# Altium PCB SK-V101-010301-Left.PcbDoc
Units mm, origin at the board's own origin, x right, y up, seen from the top; angles counter-clockwise.
Board outline 127.36 x 111.13 mm, 2 copper layers (Top Layer, Bottom Layer); 86 components, 41 nets, 332 pads, 312 vias.
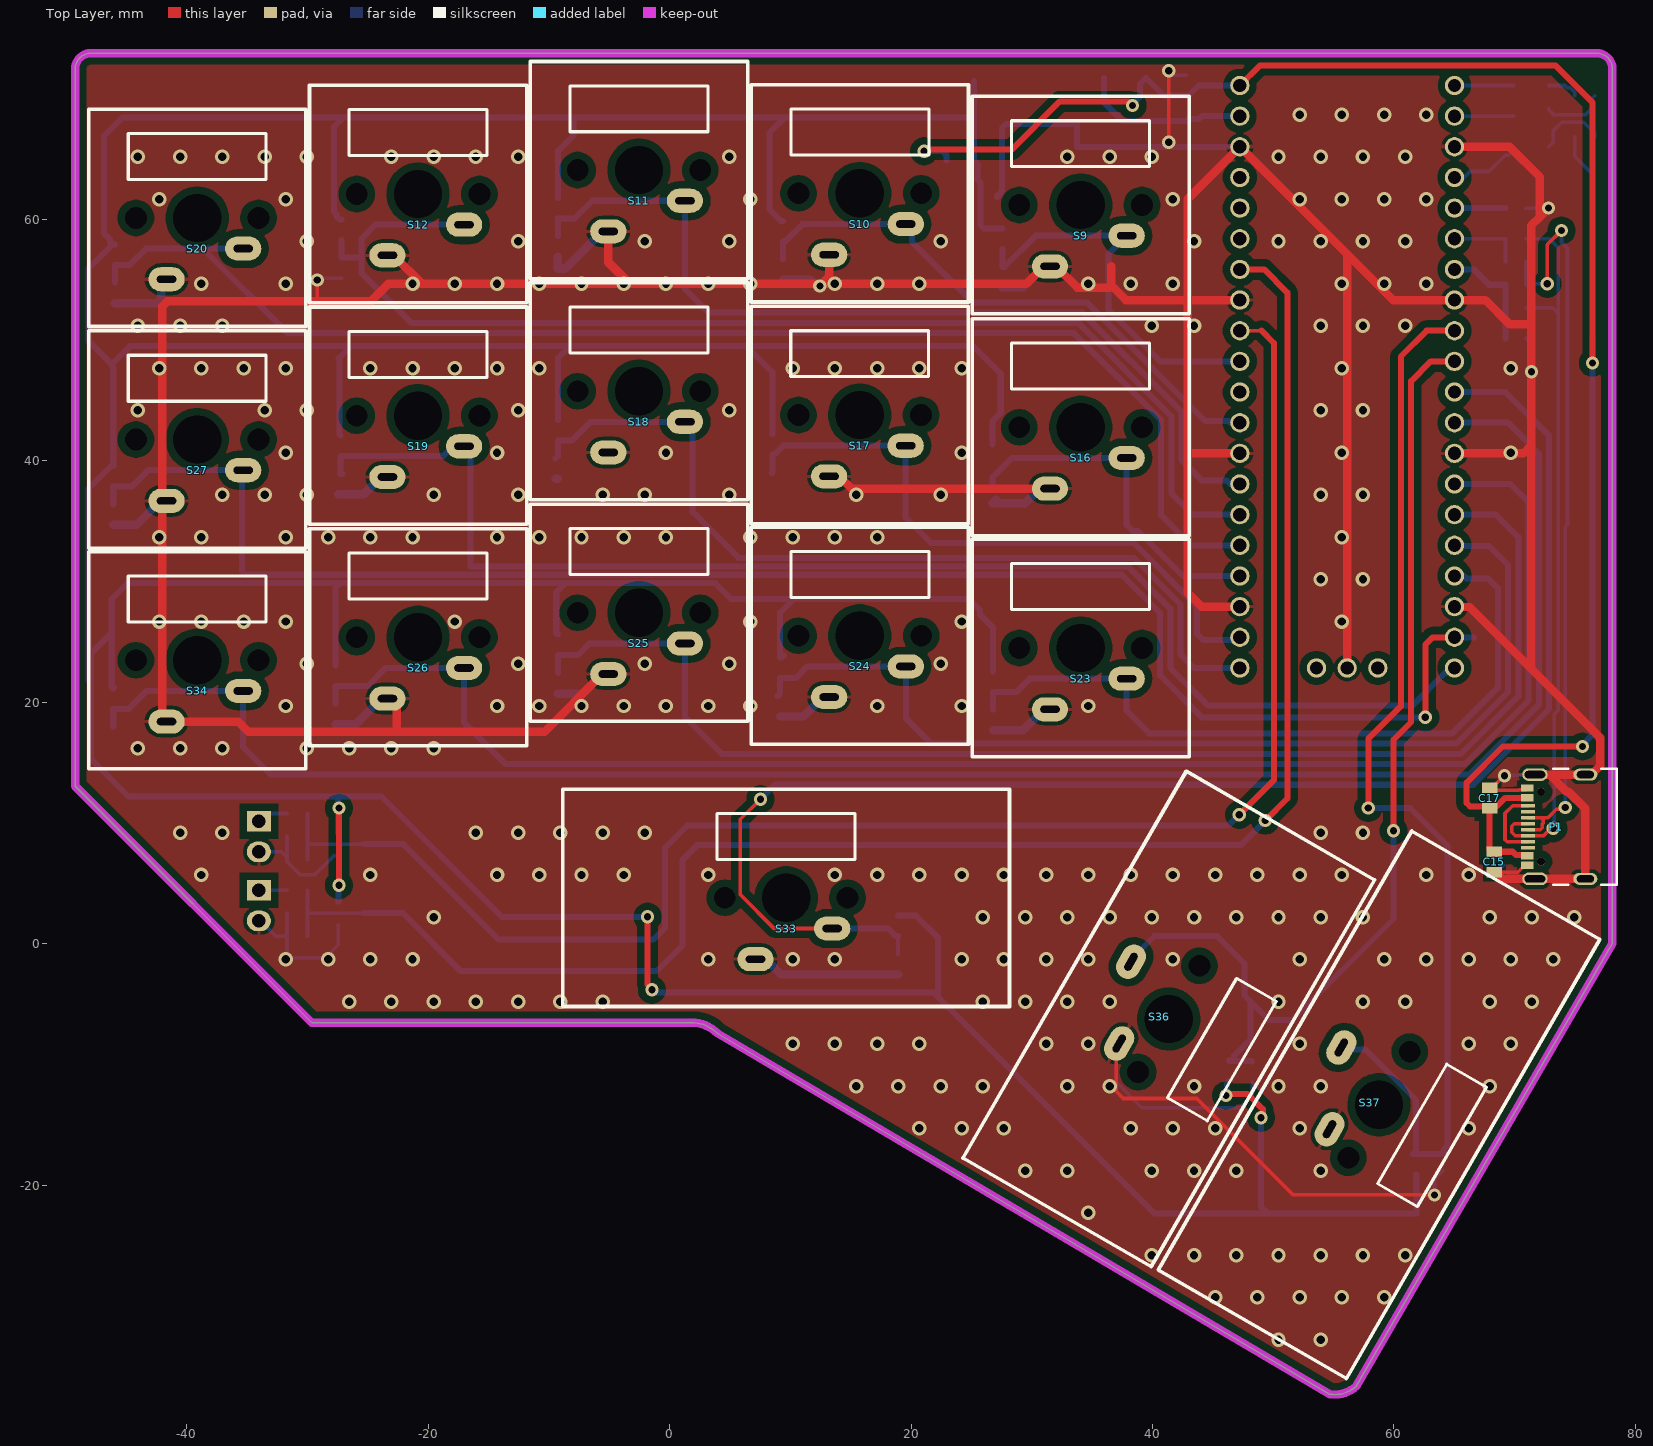
[diagram p0: Top Layer view]
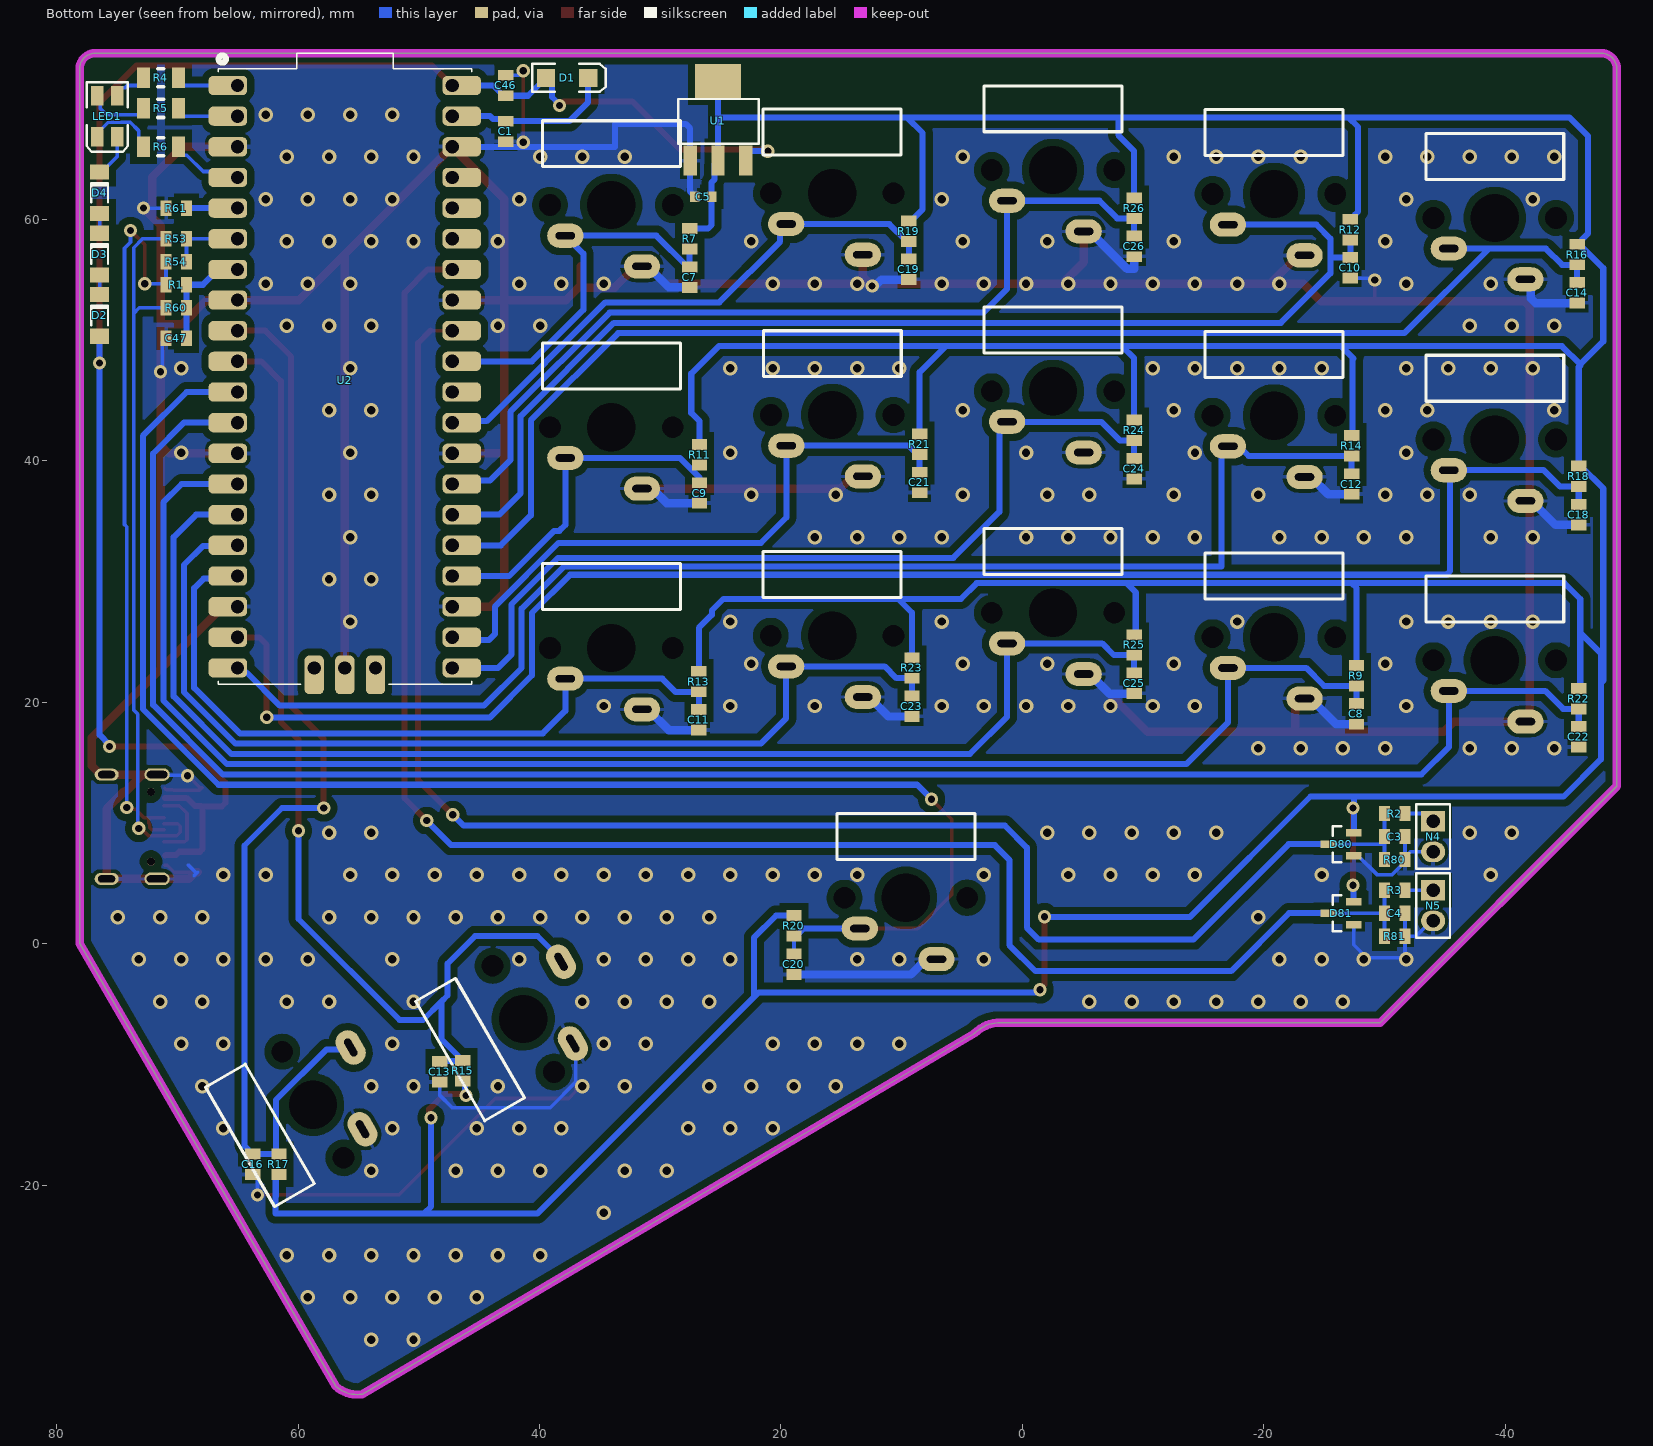
[diagram p1: Bottom Layer view, seen from below]
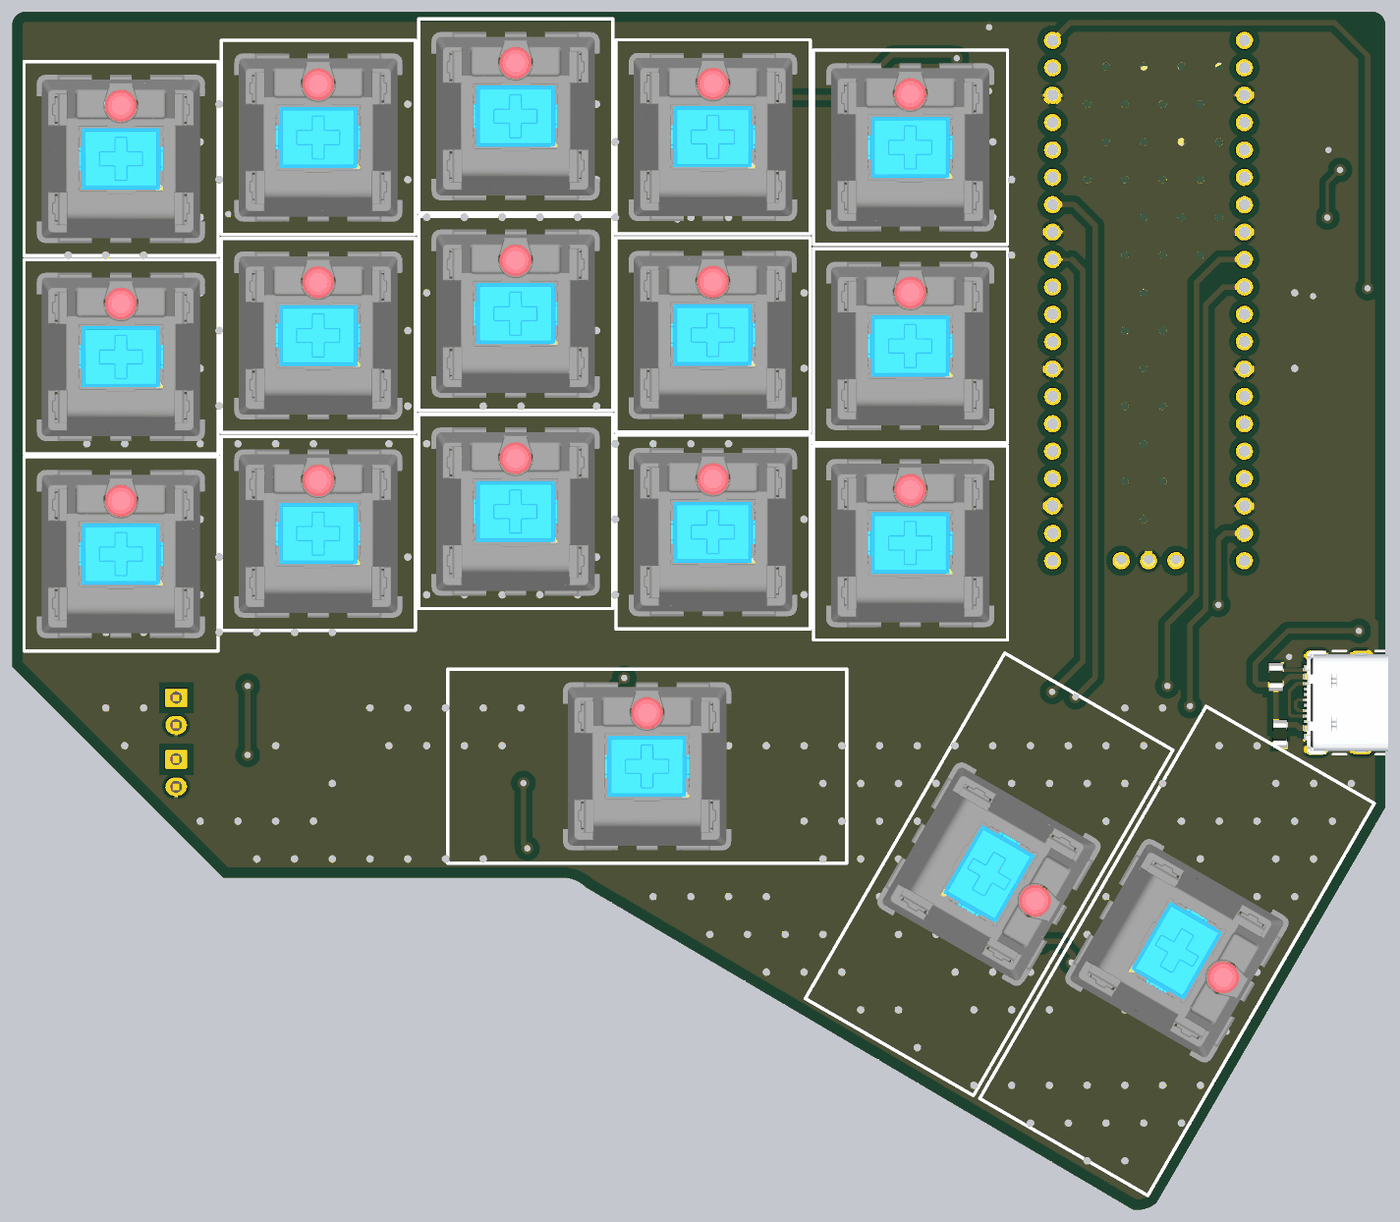
[diagram p2: 3D render of the assembled board from above, using the file's embedded part models]
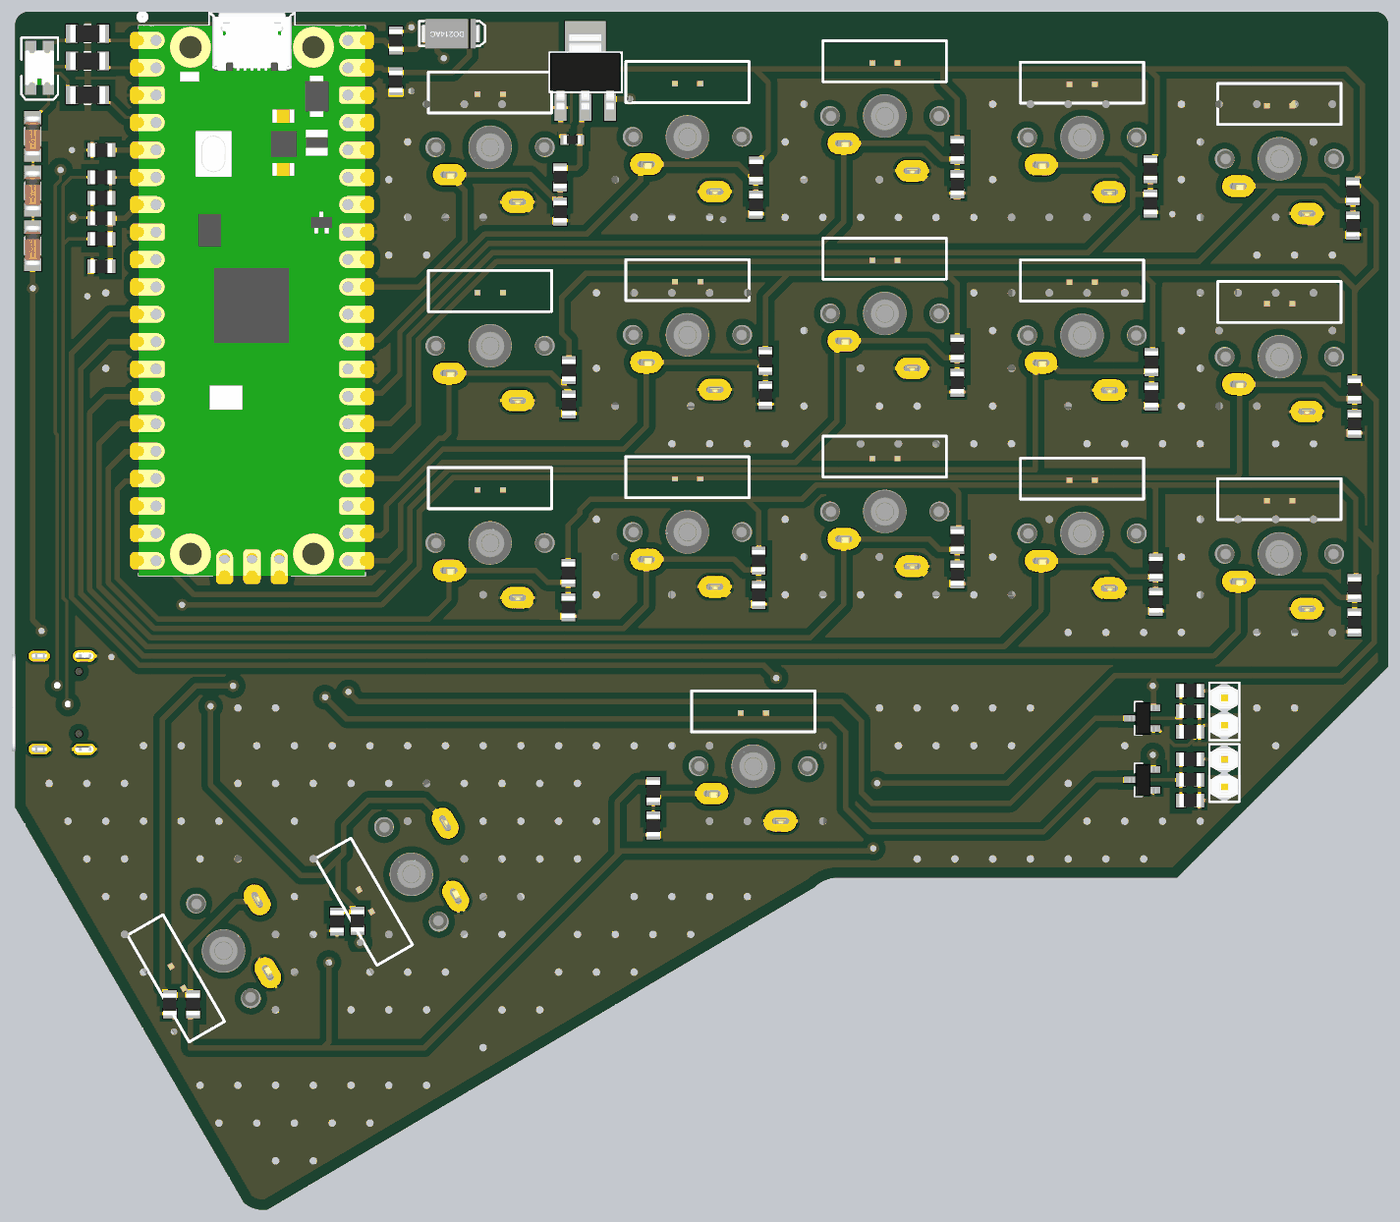
[diagram p3: 3D render of the assembled board from below, using the file's embedded part models]

## Layer stack, top to bottom
Top Solder: solder mask 0.0102, Solder Resist, Dk 3.5
Top Layer: signal copper 0.0356
Dielectric 1: dielectric 0.32, FR-4, Dk 4.8
Bottom Layer: signal copper 0.0356
Bottom Solder: solder mask 0.0102, Solder Resist, Dk 3.5

## Board outline
56.896,-36.668 78.105,0 78.105,72.501 ccw(c76.835,72.501) 76.835,73.771 -47.981,73.771 ccw(c-47.981,72.501) -49.251,72.501 -49.251,69.478 -49.251,13.04 -29.667,-6.544 1.803,-6.544 cw(c1.803,-9.61) 3.971,-7.442 54.69,-37.327 ccw(c55.1,-34.679)

## Design rules (kind name [scope] priority, off if disabled: settings)
Clearance Poly [All vs InPolygon] p1: gap=0.6 ignorepadtopadclearanceinfootprint=FALSE
Clearance [All] p2: gap=0.2 ignorepadtopadclearanceinfootprint=FALSE
HoleSize [All] p1: absolutevalues=TRUE maxlimit=4.5 minlimit=0.4 maxpercent=80.000 minpercent=20.000
PlaneConnect [All] p1: planeconnectstyle=Direct reliefexpansion=0.508 reliefentries=2 reliefconductorwidth=0.254 reliefairgap=0.254
PolygonConnect [All] p1: thpad.connectstyle=Relief thpad.reliefconductorwidth=0.3 thpad.reliefentries=2 thpad.polygonreliefangle="90 Angle" thpad.airgapwidth=0.3 smdpad.connectstyle=Relief smdpad.reliefconductorwidth=0.3 smdpad.reliefentries=2 smdpad.polygonreliefangle="90 Angle" smdpad.airgapwidth=0.3 via.connectstyle=Direct via.reliefconductorwidth=0.254 via.reliefentries=4 via.polygonreliefangle="90 Angle" via.airgapwidth=0.254
RoomDefinition SK-PiCo [InComponentClass('SK-PiCo')] p1: confinementstyle=ConfineOut formatcopy=TRUE lockcomponents=FALSE outline -89.556,-141.31 -38.756,-141.31 -38.756,-115.91 -89.556,-115.91
RoomDefinition SK-keys [InComponentClass('SK-keys')] p2: confinementstyle=ConfineOut formatcopy=TRUE lockcomponents=FALSE outline 153.395,-10.391 184.436,-10.391 184.436,-28.788 153.395,-28.788
RoomDefinition SK-Connector [InComponentClass('SK-Connector')] p3: confinementstyle=ConfineOut formatcopy=TRUE lockcomponents=FALSE outline 154.536,-28.391 183.536,-28.391 183.536,-5.791 154.536,-5.791
RoomDefinition SK-Additional_keys [InComponentClass('SK-Additional_keys')] p4: confinementstyle=ConfineOut formatcopy=TRUE lockcomponents=FALSE outline 152.936,-27.491 188.036,-27.491 188.036,-8.391 152.936,-8.391
RoutingVias [All] p1: holewidth=0.711 width=1.27 viastyle="Through Hole" minholewidth=0.6 minwidth=1.1 maxholewidth=0.711 maxwidth=1.27
SilkToSilkClearance [All] p1: silktosilkclearance=0.1
SilkToSolderMaskClearance [IsPad] p1: minsilkscreentomaskgap=0.1 clearancetoexposedcopper=TRUE
SolderMaskExpansion [All] p1: expansion=0.102 istentingtop=FALSE
Width [All] p1: maxlimit=3 minlimit=0.3 preferedwidth=0.6
26 further rules are at their usual default settings.

## Classes and differential pairs
component class SK-keys: C5 C7 C8 C9 C10 C11 C12 C13 C14 C16 C18 C19 C20 C21 C22 C23 C24 C25 C26 R7 R9 R11 R12 R13 R14 R15 R16 R17 R18 R19 R20 R21 R22 R23 R24 R25 R26 S9 S10 S11 S12 S16 S17 S18 S19 S20 S23 S24 S25 S26 S27 S33 S34 S36 S37 U1
component class SK-Connector: C15 C17 C46 C47 P1 R1 R53 R54 R60
component class SK-PiCo: C1 D1 D2 D3 D4 LED1 R4 R5 R6 R61 U2
component class SK-Additional_keys: C3 C4 D80 D81 N4 N5 R2 R3 R80 R81

## Components (designator, comment, footprint, x,y, rotation, side; value= is the part's Value field where it differs from the comment)
C1 "100nF" SMH_RES0805-STD 42.799,67.294 r270 bottom
C3 "10nF" SMH_RES0805-STD -30.861,8.874 r180 bottom
C4 "10nF" SMH_RES0805-STD -30.861,2.524 r180 bottom
C5 "100nF" SMH_1608[0603]_STD 26.441,61.884 r180 bottom
C7 "330pF" SMH_RES0805-STD 27.559,55.229 r270 bottom
C8 "330pF" SMH_RES0805-STD -27.686,19.034 r270 bottom
C9 "330pF" SMH_RES0805-STD 26.743,37.338 r270 bottom
C10 "330pF" SMH_RES0805-STD -27.178,55.991 r270 bottom
C11 "330pF" SMH_RES0805-STD 26.797,18.542 r270 bottom
C12 "330pF" SMH_RES0805-STD -27.286,38.084 r270 bottom
C13 "330pF" SMH_RES0805-STD 48.256,-10.613 r270 bottom
C14 "330pF" SMH_RES0805-STD -45.974,53.921 r270 bottom
C15 "100nF" SMH_RES0805-STD 68.326,6.766 r270 top
C16 "330pF" SMH_RES0805-STD 63.754,-18.288 r270 bottom
C17 "100nF" SMH_RES0805-STD 67.945,12.065 r90 top
C18 "330pF" SMH_RES0805-STD -46.101,35.544 r270 bottom
C19 "330pF" SMH_RES0805-STD 9.398,55.864 r270 bottom
C20 "330pF" SMH_RES0805-STD 18.923,-1.705 r270 bottom
C21 "330pF" SMH_RES0805-STD 8.509,38.211 r270 bottom
C22 "330pF" SMH_RES0805-STD -46.101,17.129 r270 bottom
C23 "330pF" SMH_RES0805-STD 9.144,19.669 r270 bottom
C24 "330pF" SMH_RES0805-STD -9.271,39.354 r270 bottom
C25 "330pF" SMH_RES0805-STD -9.271,21.574 r270 bottom
C26 "330pF" SMH_RES0805-STD -9.271,57.769 r270 bottom
C46 "100nF" SMH_RES0805-STD 42.799,71.104 r90 bottom
C47 "330pF" SMH_RES0805-STD 70.104,50.149 r0 bottom
D1 "Diode 1N4007" SMH_SMA 37.719,71.739 r180 bottom
D2 "LL4148" SMH_MINIMELF 76.454,52.054 r90 bottom
D3 "LL4148" SMH_MINIMELF 76.454,57.134 r90 bottom
D4 "LL4148" SMH_MINIMELF 76.454,62.214 r90 bottom
D80 "BAT54S" SMH_SOT-23 -26.416,8.239 r90 bottom
D81 "BAT54S" SMH_SOT-23 -26.416,2.524 r90 bottom
LED1 "RGB 1210" SMH_LED_1210-RGB 75.819,68.564 r270 bottom
N4 "Header 2" SMH_HDR1X2 -34.036,8.874 r270 bottom
N5 "Header 2" SMH_HDR1X2 -34.036,3.159 r270 bottom
P1 "USB Type C" SMH_USB_C 75.87,9.687 r90 top locked
R1 "1K" SMH_RES0805-STD 70.104,54.594 r180 bottom
R2 "1K" SMH_RES0805-STD -30.861,10.779 r0 bottom
R3 "1K" SMH_RES0805-STD -30.861,4.429 r0 bottom
R4 "330R" SMH_1206STD 71.374,71.739 r180 bottom
R5 "330R" SMH_1206STD 71.374,69.199 r180 bottom
R6 "330R" SMH_1206STD 71.374,66.024 r180 bottom
R7 "10K" SMH_RES0805-STD 27.559,58.404 r270 bottom
R9 "10K" SMH_RES0805-STD -27.686,22.209 r270 bottom
R11 "10K" SMH_RES0805-STD 26.743,40.513 r270 bottom
R12 "10K" SMH_RES0805-STD -27.178,59.166 r270 bottom
R13 "10K" SMH_RES0805-STD 26.797,21.717 r270 bottom
R14 "10K" SMH_RES0805-STD -27.286,41.259 r270 bottom
R15 "10K" SMH_RES0805-STD 46.355,-10.541 r90 bottom
R16 "10K" SMH_RES0805-STD -45.974,57.096 r270 bottom
R17 "10K" SMH_RES0805-STD 61.595,-18.288 r90 bottom
R18 "10K" SMH_RES0805-STD -46.101,38.719 r270 bottom
R19 "10K" SMH_RES0805-STD 9.398,59.039 r270 bottom
R20 "10K" SMH_RES0805-STD 18.923,1.47 r270 bottom
R21 "10K" SMH_RES0805-STD 8.509,41.386 r270 bottom
R22 "10K" SMH_RES0805-STD -46.101,20.304 r270 bottom
R23 "10K" SMH_RES0805-STD 9.144,22.844 r270 bottom
R24 "10K" SMH_RES0805-STD -9.271,42.529 r270 bottom
R25 "10K" SMH_RES0805-STD -9.271,24.749 r270 bottom
R26 "10K" SMH_RES0805-STD -9.271,60.944 r270 bottom
R53 "10R" SMH_RES0805-STD 70.104,58.404 r0 bottom
R54 "NM" SMH_RES0805-STD 70.104,56.499 r0 bottom
R60 "NM" SMH_RES0805-STD 70.104,52.689 r180 bottom
R61 "1K" SMH_RES0805-STD 70.104,60.944 r0 bottom
R80 "100K" SMH_RES0805-STD -30.861,6.969 r0 bottom
R81 "100K" SMH_RES0805-STD -30.861,0.619 r0 bottom
S9 "SW-PB" SMH_MX_Series_18mm 34.055,61.198 r0 top locked
S10 "SW-PB" SMH_MX_Series_18mm 15.755,62.163 r0 top locked
S11 "SW-PB" SMH_MX_Series_18mm -2.545,64.094 r0 top locked
S12 "SW-PB" SMH_MX_Series_18mm -20.845,62.112 r0 top locked
S16 "SW-PB" SMH_MX_Series_18mm 34.055,42.783 r0 top locked
S17 "SW-PB" SMH_MX_Series_18mm 15.748,43.799 r0 top locked
S18 "SW-PB" SMH_MX_Series_18mm -2.545,45.78 r0 top locked
S19 "SW-PB" SMH_MX_Series_18mm -20.845,43.748 r0 top locked
S20 "SW-PB" SMH_MX_Series_18mm -39.145,60.131 r0 top locked
S23 "SW-PB" SMH_MX_Series_18mm 34.055,24.495 r0 top locked
S24 "SW-PB" SMH_MX_Series_18mm 15.755,25.511 r0 top locked
S25 "SW-PB" SMH_MX_Series_18mm -2.545,27.416 r0 top locked
S26 "SW-PB" SMH_MX_Series_18mm -20.845,25.384 r0 top locked
S27 "SW-PB" SMH_MX_Series_18mm -39.145,41.767 r0 top locked
S33 "SW-PB" SMH_MX_SERIES-37MM 9.652,3.794 r0 top locked
S34 "SW-PB" SMH_MX_Series_18mm -39.145,23.479 r0 top locked
S36 "SW-PB" SMH_MX_Series-37mm 41.351,-6.239 r240 top locked
S37 "SW-PB" SMH_MX_Series-42mm 58.776,-13.346 r240 top locked
U1 "LM1117MP-3.3" SMH_SOT223 25.222,68.183 r180 bottom
U2 "Raspberry Pi PICO" SMH_PICOPI 56.134,46.974 r180 bottom
